# KiCad board hh2024.kicad_pcb
title: HackerHotel 2024 badge; date: 2023-12-17; rev: 1.4; company: Nicolai Electronics & tilde.industries; note: License: CERN Open Hardware Licence Version 2 - Permissive
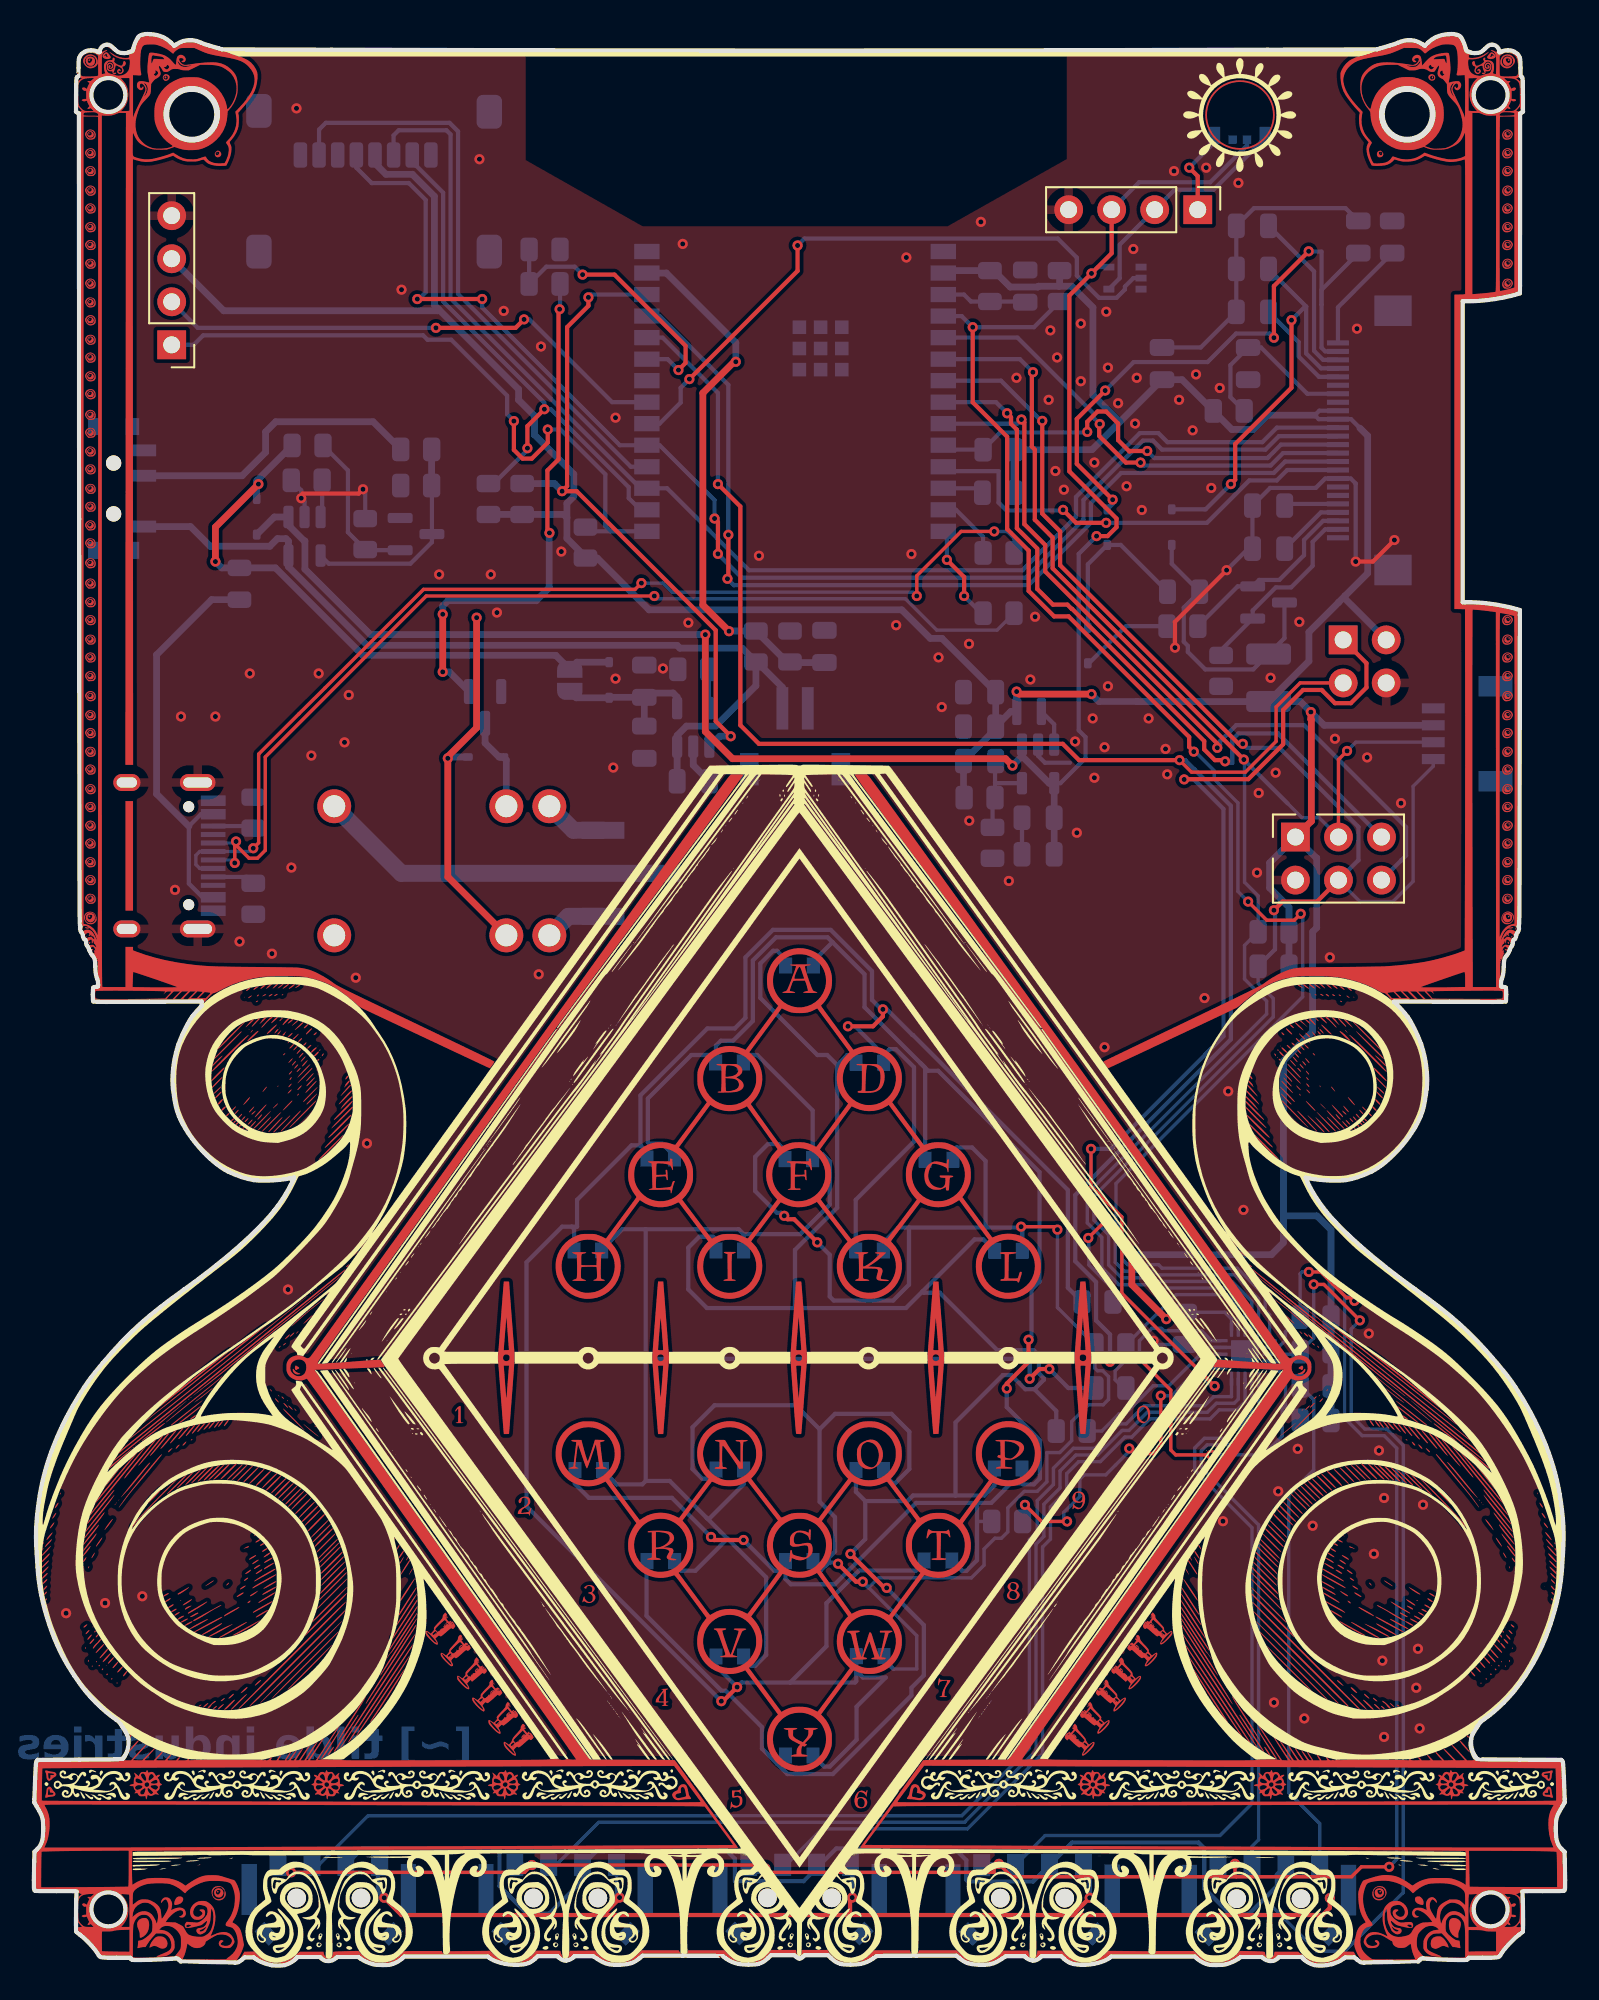
[diagram p0: board, top side]
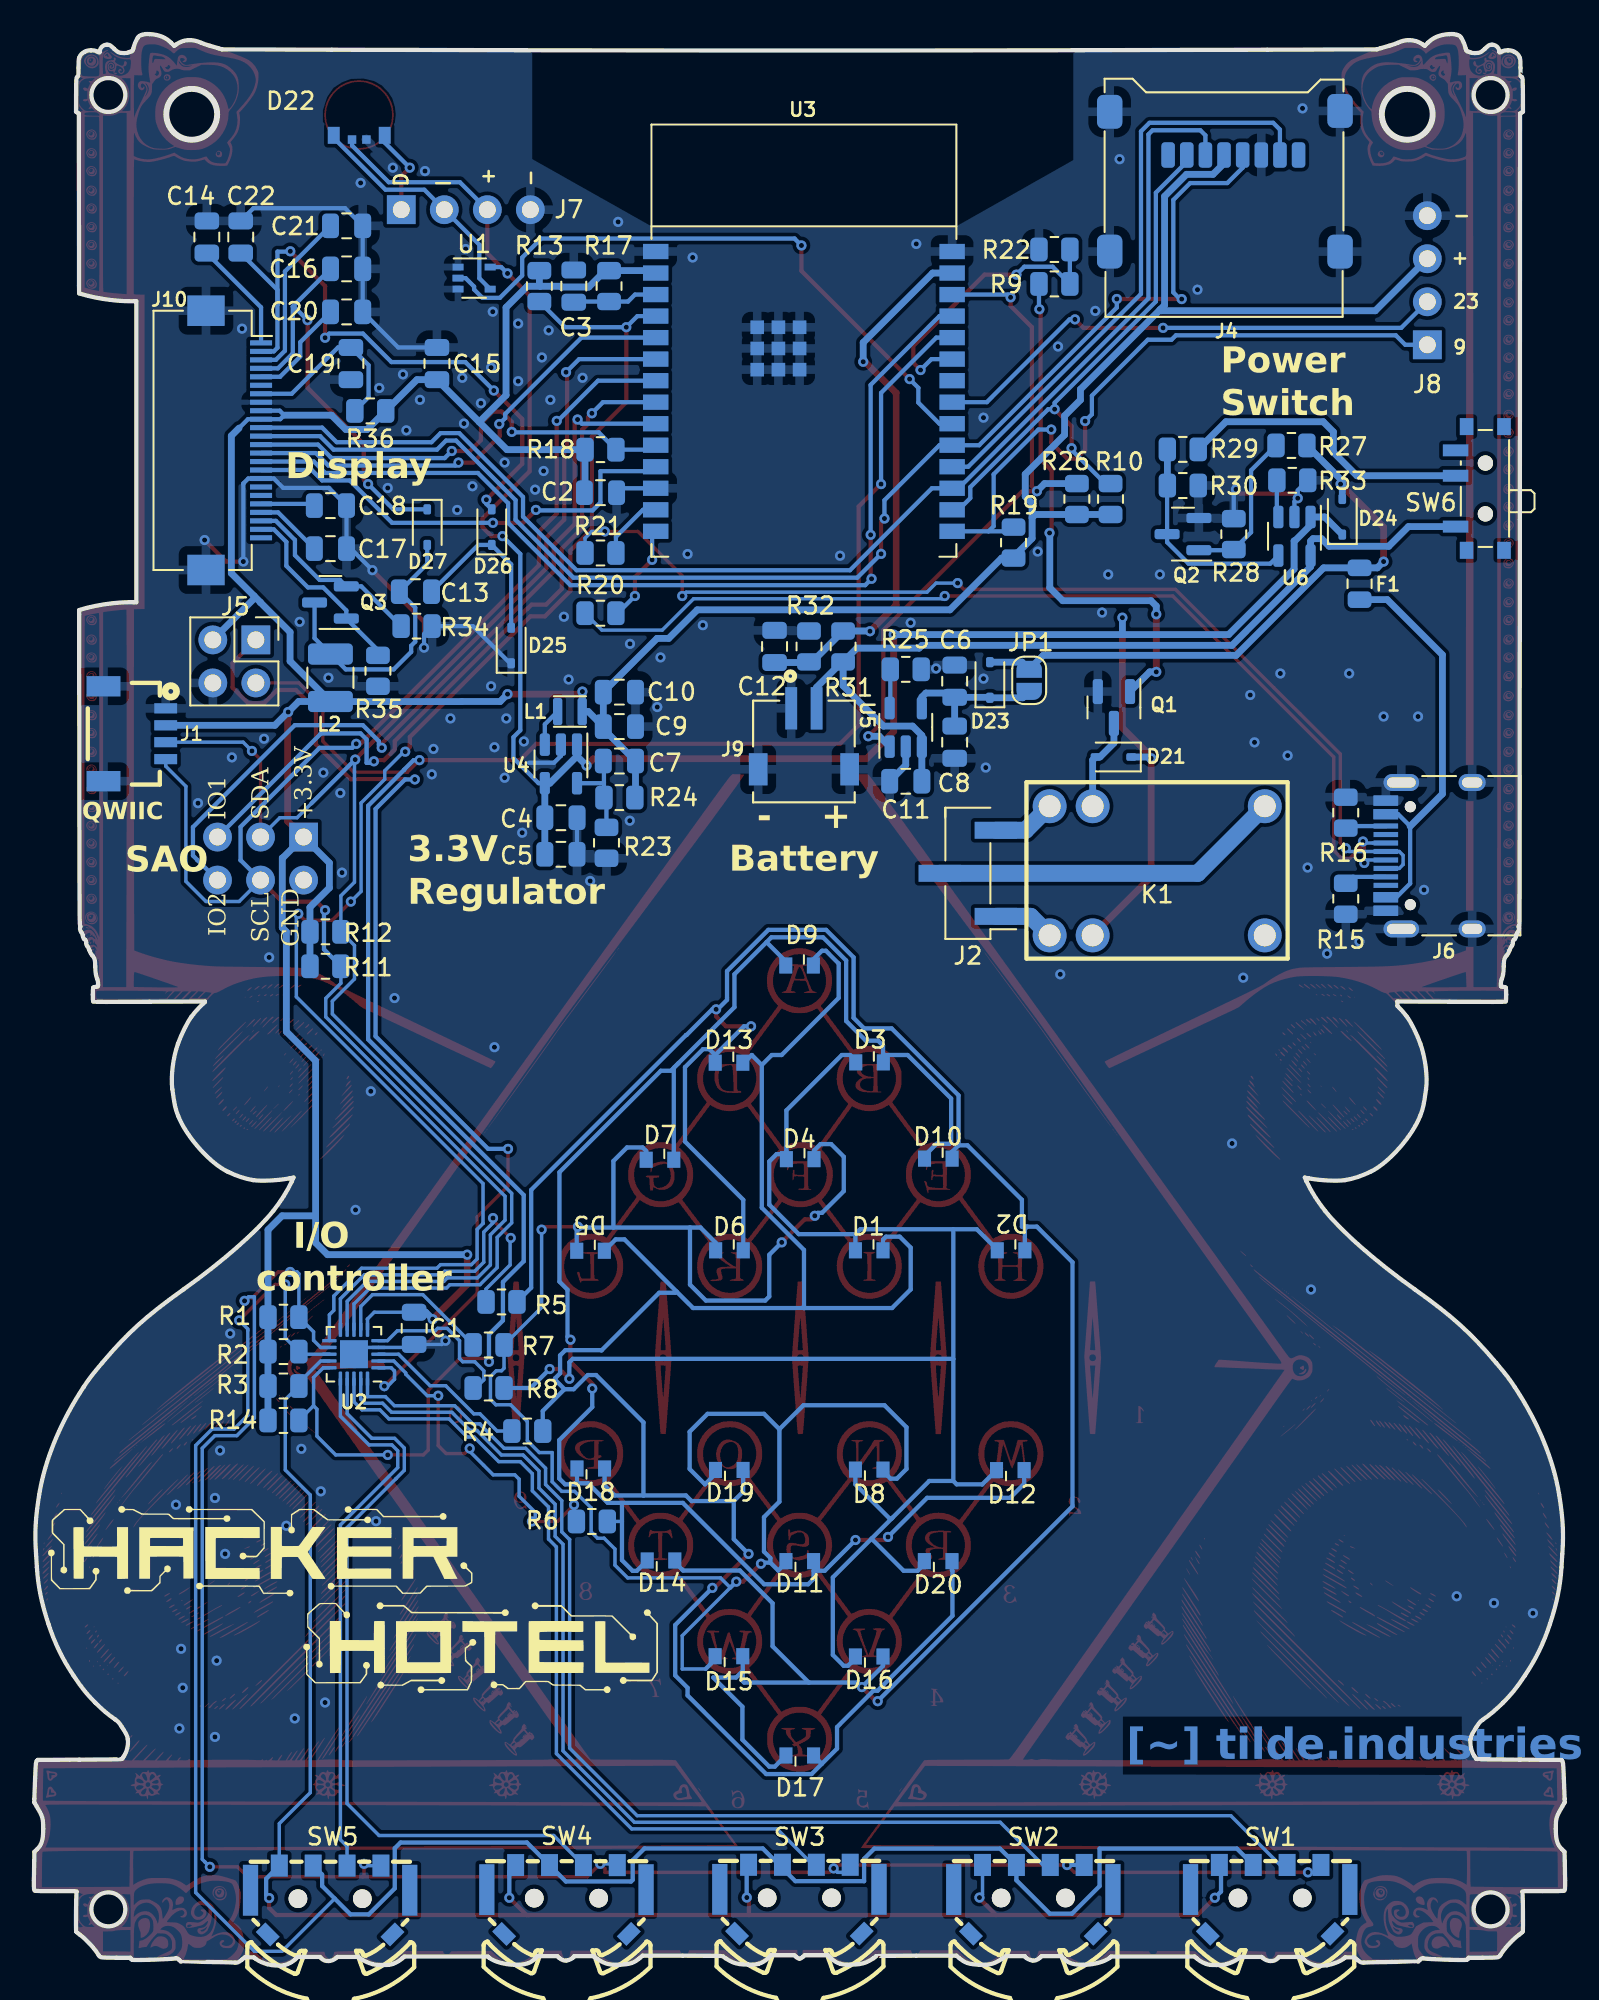
[diagram p1: board, bottom side, seen from below]

Outline 90.39 x 114.02 mm; copper layers: Top, Bottom. Coordinates in mm from the lower left corner of the outline.
Outline path: circle c4.4,110.41 r1 ; circle c4.4,3.35 r1 ; circle c9.32,109.27 r1.5 ; circle c81.07,109.27 r1.5 ; circle c85.99,110.41 r1 ; circle c85.99,3.35 r1 ; 0.02,6.18 0.04,6.75 0.19,6.89 ; 0.03,9.87 0.02,9.66 0.16,9.43 ; 0.18,12.11 0.23,12.17 2.68,12.18 ; 2.49,110.42 2.49,109.43 2.57,109.37 2.66,109.31 2.67,85.38 ; 5.26,12.24 5.35,12.38 ; 4.87,0.49 5.7,0.49 5.72,0.43 ; 8.09,113.51 8.28,113.32 8.41,113.4 ; 6.83,56.9 9.9,56.92 9.9,56.67 ; 10.9,113.17 11.11,113.1 17.57,113.08 ; 12.3,0.39 12.45,0.52 12.98,0.52 13.09,0.43 ; 15.43,0.4 15.58,0.54 16.89,0.54 16.97,0.46 ; 17.83,0.47 17.91,0.54 19.15,0.54 19.28,0.44 ; 21.76,0.46 21.87,0.56 26.8,0.56 26.87,0.5 ; 29.58,0.43 29.75,0.59 30.9,0.59 30.99,0.5 ; 31.85,0.52 31.91,0.59 33.01,0.59 33.26,0.42 ; 35.76,0.47 35.93,0.61 38.3,0.61 ; 43.34,0.47 43.51,0.64 44.89,0.64 45,0.54 ; 45.39,0.54 45.49,0.64 46.88,0.64 47.05,0.47 ; 52.08,0.61 54.46,0.61 54.63,0.47 ; 57.13,0.42 57.38,0.59 58.48,0.59 58.54,0.52 ; 59.4,0.5 59.49,0.59 60.64,0.59 60.8,0.43 ; 63.52,0.5 63.59,0.56 68.52,0.56 68.64,0.46 ; 71.11,0.44 71.24,0.54 72.47,0.54 72.56,0.47 ; 72.82,113.08 79.28,113.1 79.49,113.17 ; 73.42,0.46 73.5,0.54 74.82,0.54 74.95,0.4 ; 77.3,0.43 77.41,0.52 77.94,0.52 78.09,0.39 ; 80.29,56.89 80.29,56.92 83.57,56.9 ; 81.98,113.4 82.11,113.32 82.3,113.51 ; 84.35,98.25 84.35,80.48 ; 84.48,80.48 84.49,80.48 ; 84.67,0.43 84.69,0.49 85.52,0.49 ; 85.08,12.38 85.17,12.24 ; 87.71,12.18 90.16,12.17 90.22,12.11 ; 87.72,80.02 87.72,79.75 ; 87.72,98.71 87.73,99.16 87.73,109.31 87.82,109.37 87.9,109.43 87.9,110.42 ; 90.2,6.89 90.36,6.75 90.37,6.18 ; 90.36,9.87 90.36,9.66 90.23,9.43
Stack: Top 0.035mm / dielectric 1.51mm FR4 er 4.5 / Bottom 0.035mm

## Placement (name value [footprint] x y rotation side)
Artwork  LOGO  [HH24_Victorian_Exodia]  45.36 56.39 0 top
Badge.team  LOGO  [Badge.team]  15.09 26.69 180 bottom
C1  100n  [C_0805_2012Metric]  67.94 37.63 90 bottom
C2  100n  [C_0805_2012Metric]  56.94 86.94 180 bottom
C3  1u  [C_0805_2012Metric]  58.52 99.14 90 bottom  (not fitted)
C4  100n  [C_0805_2012Metric]  59.28 67.76 180 bottom
C5  22u  [C_0805_2012Metric]  59.28 65.61 180 bottom
C6  10u  [C_0805_2012Metric]  36.03 75.82 270 bottom
C7  22p  [C_0805_2012Metric]  55.83 71.11 0 bottom
C8  100n  [C_0805_2012Metric]  36.03 72.22 90 bottom
C9  22u  [C_0805_2012Metric]  55.83 73.14 180 bottom
C10  22u  [C_0805_2012Metric]  55.83 75.17 180 bottom
C11  10u  [C_0805_2012Metric]  38.92 69.92 0 bottom
C12  100n  [C_0805_2012Metric]  46.67 77.87 90 bottom
C13  1u  [C_0805_2012Metric]  67.87 81.1 0 bottom
C14  1u  [C_0805_2012Metric]  78.18 102.03 90 bottom
C15  4.7u  [C_0805_2012Metric]  66.6 94.56 270 bottom
C16  1u  [C_0805_2012Metric]  71.93 100.15 0 bottom
C17  1u  [C_0805_2012Metric]  72.88 83.64 0 bottom
C18  1u  [C_0805_2012Metric]  72.88 86.18 0 bottom
C19  1u  [C_0805_2012Metric]  71.68 94.56 90 bottom
C20  1u  [C_0805_2012Metric]  71.93 97.61 0 bottom
C21  1u  [C_0805_2012Metric]  71.93 102.69 0 bottom
C22  470n  [C_0805_2012Metric]  80.18 102.03 270 bottom
D1  LED_Small  [XL-1606UOC Side Sticker LED]  41.08 42.71 0 bottom
D2  LED_Small  [XL-1606UOC Side Sticker LED]  32.7 42.71 0 bottom
D3  LED_Small  [XL-1606UOC Side Sticker LED]  41.06 53.8 0 bottom
D4  LED_Small  [XL-1606UOC Side Sticker LED]  45.15 48.09 0 bottom
D5  LED_Small  [XL-1606UOC Side Sticker LED]  57.53 42.69 0 bottom
D6  LED_Small  [XL-1606UOC Side Sticker LED]  49.33 42.71 0 bottom
D7  LED_Small  [XL-1606UOC Side Sticker LED]  53.43 48.06 0 bottom
D8  LED_Small  [XL-1606UOC Side Sticker LED]  41.08 28.82 180 bottom
D9  LED_Small  [XL-1606UOC Side Sticker LED]  45.19 59.52 0 bottom
D10  LED_Small  [XL-1606UOC Side Sticker LED]  37 48.12 0 bottom
D11  LED_Small  [XL-1606UOC Side Sticker LED]  45.18 23.42 180 bottom
D12  LED_Small  [XL-1606UOC Side Sticker LED]  32.75 28.79 180 bottom
D13  LED_Small  [XL-1606UOC Side Sticker LED]  49.35 53.78 0 bottom
D14  LED_Small  [XL-1606UOC Side Sticker LED]  53.37 23.46 180 bottom
D15  LED_Small  [XL-1606UOC Side Sticker LED]  49.36 17.81 180 bottom
D16  LED_Small  [XL-1606UOC Side Sticker LED]  41.08 17.79 180 bottom
D17  LED_Small  [XL-1606UOC Side Sticker LED]  45.18 11.95 180 bottom
D18  LED_Small  [XL-1606UOC Side Sticker LED]  57.51 28.89 180 bottom
D19  LED_Small  [XL-1606UOC Side Sticker LED]  49.34 28.8 180 bottom
D20  LED_Small  [XL-1606UOC Side Sticker LED]  37.01 23.42 180 bottom
D21  NSR0320MW2T1G  [D_SOD-323]  26.66 71.35 0 bottom
D22  SK6805  [SK6805-EC3210R]  71.18 107.78 0 bottom
D23  NSR0320MW2T1G  [D_SOD-323]  33.96 75.89 90 bottom
D24  NSR0320MW2T1G  [D_SOD-323]  13.15 85.52 90 bottom
D25  NSR0320MW2T1G  [D_SOD-323]  62.22 77.93 90 bottom
D26  NSR0320MW2T1G  [D_SOD-323]  63.36 84.91 90 bottom
D27  NSR0320MW2T1G  [D_SOD-323]  67.17 84.91 270 bottom
F1  1A  [Fuse_0805_2012Metric]  12.13 81.57 270 bottom
G***  LOGO  [HH24_Victorian_LED_F.SILKS]  71.17 109.22 0 top
Hackerhotellogo  LOGO  [hackerhotelkicad_mod]  71.55 21.63 180 bottom
J1  QWIIC  [Qwiic 1X04_1MM_RA_GND]  82.61 72.72 270 bottom
J2  RELAY  [PinHeader_1x03_P2.54mm_Vertical_SMD_Pin1Left]  35.26 64.48 0 bottom  (not fitted)
J3  SAO  [SAO Female THT Labels]  77.01 65.35 90 top
J4  Micro_SD_Card  [MicroSD-SOFNG-TF-002-H18]  20.13 106.82 0 bottom
J5  CH32Prog  [PinHeader_2x02_P2.54mm_Vertical]  77.29 78.26 270 bottom  (not fitted)
J6  USB-C  [USB_C_Receptacle_HRO_TYPE-C-31-M-12]  6.54 65.52 90 bottom
J7  LED  [PinHeader_1x04_P2.54mm_Vertical]  68.7 103.64 270 top  (not fitted)
J8  Conn_01x04  [PinHeader_1x04_P2.54mm_Vertical]  8.13 95.67 180 top  (not fitted)
J9  Battery  [JST_S2B-ZR-SM4A-TF(LF)(SN)]  44.93 72.07 180 bottom
J10  E-Paper  [Hirose_FH12-24S-0.5SH_1x24-1MP_P0.50mm_Horizontal]  78.83 90.03 270 bottom
JP1  Bodge in case battery doesn't charge  [SolderJumper-2_P1.3mm_Open_RoundedPad1.0x1.5mm]  31.63 75.87 270 bottom
K1  SANYOU_SRD_Form_C  [HRS1H-S-DC3V]  24.08 64.63 0 bottom
L1  2.2u  [Inductor_MSC20FC]  58.75 74.03 0 bottom
L2  47u  [L_1210_3225Metric]  72.88 76.02 90 bottom
Q1  AP2302B  [SOT-23]  26.63 74.27 270 bottom
Q2  AP2302B  [SOT-23]  22.56 84.5 0 bottom
Q3  AP2302B  [SOT-23]  72.88 80.47 0 bottom
R1  10k  [R_0805_2012Metric]  75.66 38.29 180 bottom
R2  10k  [R_0805_2012Metric]  75.66 36.26 180 bottom
R3  10k  [R_0805_2012Metric]  75.66 34.23 180 bottom
R4  30  [R_0805_2012Metric]  61.26 31.57 180 bottom
R5  30  [R_0805_2012Metric]  62.79 39.19 180 bottom
R6  30  [R_0805_2012Metric]  57.45 26.24 180 bottom
R7  30  [R_0805_2012Metric]  63.55 36.65 180 bottom
R8  30  [R_0805_2012Metric]  63.55 34.11 180 bottom
R9  1k  [R_0805_2012Metric]  30.15 99.26 180 bottom
R10  10k  [R_0805_2012Metric]  26.83 86.57 90 bottom
R11  4.7k  [R_0805_2012Metric]  73.18 59 0 bottom
R12  4.7k  [R_0805_2012Metric]  73.18 61.03 0 bottom
R13  10k  [R_0805_2012Metric]  60.55 99.14 270 bottom
R14  2.2k  [R_0805_2012Metric]  75.66 32.2 180 bottom
R15  5.1k  [R_0805_2012Metric]  12.95 62.98 90 bottom
R16  5.1k  [R_0805_2012Metric]  12.95 68.06 270 bottom
R17  10k  [R_0805_2012Metric]  56.44 99.14 90 bottom
R18  10k  [R_0805_2012Metric]  56.94 89.48 0 bottom
R19  10k  [R_0805_2012Metric]  32.56 84 90 bottom
R20  27  [R_0805_2012Metric]  56.94 79.83 180 bottom
R21  27  [R_0805_2012Metric]  56.94 83.39 180 bottom
R22  10k  [R_0805_2012Metric]  30.15 101.3 180 bottom
R23  10k  [R_0805_2012Metric]  56.59 66.28 270 bottom
R24  45.3k  [R_0805_2012Metric]  55.83 68.95 0 bottom
R25  2k  [R_0805_2012Metric]  38.92 76.52 0 bottom
R26  10k  [R_0805_2012Metric]  28.82 86.57 270 bottom
R27  4.7k  [R_0805_2012Metric]  16.15 89.73 0 bottom
R28  4.7k  [R_0805_2012Metric]  19.56 84.5 270 bottom
R29  1k  [R_0805_2012Metric]  22.57 89.5 180 bottom
R30  100k  [R_0805_2012Metric]  22.57 87.37 0 bottom
R31  100k  [R_0805_2012Metric]  42.62 77.87 270 bottom
R32  100k  [R_0805_2012Metric]  44.63 77.87 270 bottom
R33  4.7k  [R_0805_2012Metric]  16.1 87.68 0 bottom
R34  2.2  [R_0805_2012Metric]  67.8 79.07 0 bottom
R35  100k  [R_0805_2012Metric]  70.08 76.43 90 bottom
R36  0  [R_0805_2012Metric]  70.53 91.77 0 bottom  (not fitted)
SW1  Multi-Directional-Switches  [TM-2023]  17.4 4.05 0 bottom
SW2  Multi-Directional-Switches  [TM-2023]  31.38 4.05 0 bottom
SW3  Multi-Directional-Switches  [TM-2023]  45.19 4.06 0 bottom
SW4  Multi-Directional-Switches  [TM-2023]  58.94 4.04 0 bottom
SW5  Multi-Directional-Switches  [TM-2023]  72.89 4.01 0 bottom
SW6  SW_SPDT  [SW_SPDT_PCM12]  5.04 87.19 90 bottom
U1  74LVC1G125  [SOT-353_SC-70-5]  64.4 99.61 180 bottom
U2  CH32V003F4U6  [QFN-20-1EP_3x3mm_P0.4mm_EP1.65x1.65mm]  71.5 36.11 0 bottom
U3  -  [ESP32-C6-WROOM-1]  44.93 92.92 180 bottom
U4  SY8079AAC  [SOT-23-5]  59.28 70.94 270 bottom
U5  XT4054K421MR-G  [SOT-23-5]  38.92 73.1 90 bottom
U6  SY6280AAC  [SOT-23-5]  15.98 84.37 270 bottom

## Library data of the parts
C1 C2 C4 C8 C12 = -: Datasheet: https://datasheet.lcsc.com/lcsc/1912300933_TORCH-C0805B104K500NT_C476766.pdf; LCSC: C476766; Link: https://www.lcsc.com/product-detail/Multilayer-Ceramic-Capacitors-MLCC-SMD-SMT_TORCH-C0805B104K500NT_C476766.html; ki_fp_filters: C_*
C3 C13 C14 C16-C21 = -: Datasheet: https://datasheet.lcsc.com/lcsc/2304140030_CCTC-TCC0805X7R105M500FT_C376929.pdf; LCSC: C376929; Link: https://www.lcsc.com/product-detail/Multilayer-Ceramic-Capacitors-MLCC-SMD-SMT_CCTC-TCC0805X7R105M500FT_C376929.html; ki_fp_filters: C_*
C5 C9 C10 = -: Datasheet: https://datasheet.lcsc.com/lcsc/2006102223_Samsung-Electro-Mechanics-CL21A226MAYNNNE_C602037.pdf; LCSC: C602037; Link: https://www.lcsc.com/product-detail/Multilayer-Ceramic-Capacitors-MLCC-SMD-SMT_Samsung-Electro-Mechanics-CL21A226MAYNNNE_C602037.html; ki_fp_filters: C_*
C6 C11 = -: Datasheet: https://datasheet.lcsc.com/lcsc/2210121101_Samwha-Capacitor-CS2012X7R106M100NRE_C5189822.pdf; LCSC: C5189822; Link: https://www.lcsc.com/product-detail/Multilayer-Ceramic-Capacitors-MLCC-SMD-SMT_Samwha-Capacitor-CS2012X7R106M100NRE_C5189822.html; ki_fp_filters: C_*
C7 = -: Datasheet: https://datasheet.lcsc.com/lcsc/2208181800_FOJAN-FCC0805N220J500BT_C5137614.pdf; LCSC: C5137614; Link: https://www.lcsc.com/product-detail/Multilayer-Ceramic-Capacitors-MLCC-SMD-SMT_FOJAN-FCC0805N220J500BT_C5137614.html; ki_fp_filters: C_*
C15 = -: Datasheet: https://datasheet.lcsc.com/lcsc/2111172030_Samwha-Capacitor-CS2012X5R475K250NRE_C2918489.pdf; LCSC: C2918489; Link: https://www.lcsc.com/product-detail/Multilayer-Ceramic-Capacitors-MLCC-SMD-SMT_Samwha-Capacitor-CS2012X5R475K250NRE_C2918489.html; ki_fp_filters: C_*
C22 = -: Datasheet: https://datasheet.lcsc.com/lcsc/2108150230_FH--Guangdong-Fenghua-Advanced-Tech-0805B474K250NT_C2859120.pdf; LCSC: C2859120; Link: https://www.lcsc.com/product-detail/Multilayer-Ceramic-Capacitors-MLCC-SMD-SMT_FH-Guangdong-Fenghua-Advanced-Tech-0805B474K250NT_C2859120.html; ki_fp_filters: C_*
D1-D20 = -: Datasheet: https://datasheet.lcsc.com/lcsc/2211030000_XINGLIGHT-XL-1606UOC_C965861.pdf; Link: https://www.lcsc.com/product-detail/Light-Emitting-Diodes-LED_XINGLIGHT-XL-1606UOC_C965861.html; LCSC: C965861; ki_fp_filters: LED* LED_SMD:* LED_THT:*
D21 D23-D27 = -: Datasheet: https://datasheet.lcsc.com/lcsc/1806150330_onsemi-NSR0320MW2T1G_C48192.pdf; LCSC: C48192; Link: https://www.lcsc.com/product-detail/Schottky-Barrier-Diodes-SBD_onsemi-NSR0320MW2T1G_C48192.html; ki_fp_filters: TO-???* *_Diode_* *SingleDiode* D_*
D22 = -: Datasheet: https://cdn-shop.adafruit.com/product-files/3484/3484_Datasheet.pdf; Description: RGB LED with integrated controller; LCSC: C5378735; Link: https://www.lcsc.com/product-detail/Light-Emitting-Diodes-LED_OPSCO-Optoelectronics-SK6805-EC3210R_C5378735.html#; ki_fp_filters: LED*SK6805*PLCC*2.4x2.7mm*P1.3mm*
F1 = -: Datasheet: https://datasheet.lcsc.com/lcsc/1810161745_Brightking-Elec--TAIWAN-SMD0805B110TF_C269107.pdf; LCSC: C269107; Link: https://www.lcsc.com/product-detail/Resettable-Fuses_Brightking-SMD0805B110TF_C269107.html; ki_fp_filters: *polyfuse* *PTC*
J1 = -: Datasheet: https://datasheet.lcsc.com/lcsc/1811151533_JST-Sales-America-SM04B-SRSS-TB-LF-SN_C160404.pdf; LCSC: C160404; Link: https://www.lcsc.com/product-detail/Wire-To-Board-Wire-To-Wire-Connector_JST-SM04B-SRSS-TB-LF-SN_C160404.html; ki_fp_filters: *1X04_1MM_RA* *1X04_1MM_RA_STRESSRELIEF*
J2 = -: Description: Generic connector, single row, 01x03, script generated (kicad-library-utils/schlib/autogen/connector/); ki_fp_filters: Connector*:*_1x??_*
J3 = -: Datasheet: https://datasheet.lcsc.com/lcsc/2105241721_Liansheng-FH-00517_C2829893.pdf; Link: https://www.lcsc.com/product-detail/Female-Headers_Liansheng-FH-00517_C2829893.html; LCSC: C2829893
J4 = -: Datasheet: http://katalog.we-online.de/em/datasheet/693072010801.pdf; LCSC: C125814; Link: https://www.lcsc.com/product-detail/SD-Card-Connectors_SOFNG-TF-002X-H18_C125814.html; ki_fp_filters: microSD*
J5 J7 J8 = -: Description: Generic connector, single row, 01x04, script generated (kicad-library-utils/schlib/autogen/connector/); ki_fp_filters: Connector*:*_1x??_*
J6 = -: Datasheet: https://datasheet.lcsc.com/lcsc/2108131730_Korean-Hroparts-Elec-TYPE-C-31-M-12_C165948.pdf; LCSC: C165948; Link: https://www.lcsc.com/product-detail/USB-Connectors_Korean-Hroparts-Elec-TYPE-C-31-M-12_C165948.html; ki_fp_filters: USB*C*Receptacle*
J9 = -: Datasheet: https://datasheet.lcsc.com/lcsc/1912111437_JST-Sales-America-S2B-ZR-SM4A-TF-LF-SN_C265329.pdf; LCSC: C265329; Link: https://www.lcsc.com/product-detail/Wire-To-Board-Wire-To-Wire-Connector_JST-Sales-America-S2B-ZR-SM4A-TF-LF-SN_C265329.html; ki_fp_filters: Connector*:*_1x??-1MP*
J10 = -: Datasheet: https://datasheet.lcsc.com/lcsc/2304140030_HRS-Hirose-FH12-24S-0-5SH-55_C202112.pdf; LCSC: C202112; Link: https://www.lcsc.com/product-detail/FFC-FPC-Connectors_HRS-Hirose-FH12-24S-0-5SH-55_C202112.html; ki_fp_filters: Connector*:*_1x??-1MP*
JP1 = -: Description: Solder Jumper, 2-pole, open; ki_fp_filters: SolderJumper*Open*
K1 = -: Datasheet: https://datasheet.lcsc.com/lcsc/1809291620_Zhejiang-HKE-HRS1H-S-DC3V_C136110.pdf; Link: https://www.lcsc.com/product-detail/Signal-Relays_Zhejiang-HKE-HRS1H-S-DC3V_C136110.html; LCSC: C136110; ki_fp_filters: Relay*SPDT*SANYOU*SRD*Series*Form*C*
L1 = -: Datasheet: https://datasheet.lcsc.com/lcsc/1912111437_PSA-Prosperity-Dielectrics-MCS20FC-2R2MHC_C375944.pdf; LCSC: C375944; Link: https://www.lcsc.com/product-detail/Power-Inductors_PSA-Prosperity-Dielectrics-MCS20FC-2R2MHC_C375944.html; ki_fp_filters: Choke_* *Coil* Inductor_* L_*
L2 = -: Datasheet: https://datasheet.lcsc.com/lcsc/2304140030_TDK-NLCV32T-470K-PF_C83083.pdf; LCSC: C83083; Link: https://www.lcsc.com/product-detail/Power-Inductors_TDK-NLCV32T-470K-PF_C83083.html; ki_fp_filters: Choke_* *Coil* Inductor_* L_*
Q1-Q3 = -: Datasheet: https://datasheet.lcsc.com/lcsc/1912111437_ALLPOWER-ShenZhen-Quan-Li-Semiconductor-AP2302B_C406812.pdf; LCSC: C406812; Link: https://www.lcsc.com/product-detail/MOSFETs_ALLPOWER-ShenZhen-Quan-Li-Semiconductor-AP2302B_C406812.html
R1-R3 R10 R13 R17-R19 R22 R23 R26 = -: Datasheet: https://datasheet.lcsc.com/lcsc/2208231730_VO-SCR0805J10K_C5140188.pdf; LCSC: C5140188; Link: https://www.lcsc.com/product-detail/Chip-span-style-background-color-ff0-Resistor-span-Surface-Mount_VO-SCR0805J10K_C5140188.html; ki_fp_filters: R_*
R4-R8 = -: Datasheet: https://datasheet.lcsc.com/lcsc/2205311900_UNI-ROYAL-Uniroyal-Elec-0805W8J0300T5E_C25305.pdf; LCSC: C25305; Link: https://www.lcsc.com/product-detail/Chip-Resistor-Surface-Mount_UNI-ROYAL-Uniroyal-Elec-0805W8J0300T5E_C25305.html; ki_fp_filters: R_*
R9 R29 = -: LCSC: C3017842; Link: https://www.lcsc.com/product-detail/Chip-span-style-background-color-ff0-Resistor-span-Surface-Mount_VO-SCR0805J1K_C3017842.html; ki_fp_filters: R_*
R11 R12 R33 = -: Datasheet: https://datasheet.lcsc.com/lcsc/2308241947_FOJAN-FRC0805J472-TS_C2907326.pdf; LCSC: C2907326; Link: https://www.lcsc.com/product-detail/Chip-span-style-background-color-ff0-Resistor-span-Surface-Mount_FOJAN-FRC0805J472-TS_C2907326.html; ki_fp_filters: R_*
R14 = -: Datasheet: https://datasheet.lcsc.com/lcsc/2304140030_YAGEO-RC0805FR-072K2L_C114561.pdf; LCSC: C114561; Link: https://www.lcsc.com/product-detail/Chip-Resistor-Surface-Mount_YAGEO-RC0805FR-072K2L_C114561.html; ki_fp_filters: R_*
R15 R16 = -: Datasheet: https://datasheet.lcsc.com/lcsc/2308241947_FOJAN-FRC0805J512TS_C2930296.pdf; LCSC: C2930296; Link: https://www.lcsc.com/product-detail/Chip-span-style-background-color-ff0-Resistor-span-Surface-Mount_FOJAN-FRC0805J512TS_C2930296.html; ki_fp_filters: R_*
R20 R21 = -: Datasheet: https://datasheet.lcsc.com/lcsc/2308241947_FOJAN-FRC0805J270-TS_C2907314.pdf; LCSC: C2907314; Link: https://www.lcsc.com/product-detail/Chip-span-style-background-color-ff0-Resistor-span-Surface-Mount_FOJAN-FRC0805J270-TS_C2907314.html; ki_fp_filters: R_*
R24 = -: Datasheet: https://datasheet.lcsc.com/lcsc/2211151030_Viking-Tech-ARG05DTC4532_C5266157.pdf; LCSC: C5266157; Link: https://www.lcsc.com/product-detail/Chip-span-style-background-color-ff0-Resistor-span-Surface-Mount_Viking-Tech-ARG05DTC4532_C5266157.html; ki_fp_filters: R_*
R25 = -: Datasheet: https://datasheet.lcsc.com/lcsc/2205131800_VO-SCR0805J2K_C3017846.pdf; LCSC: C3017846; Link: https://www.lcsc.com/product-detail/Chip-span-style-background-color-ff0-Resistor-span-Surface-Mount_VO-SCR0805J2K_C3017846.html; ki_fp_filters: R_*
R27 R28 = -: LCSC: C2907326; Link: https://www.lcsc.com/product-detail/Chip-span-style-background-color-ff0-Resistor-span-Surface-Mount_FOJAN-FRC0805J472-TS_C2907326.html; ki_fp_filters: R_*
R30-R32 R35 = -: Datasheet: https://datasheet.lcsc.com/lcsc/2308241947_FOJAN-FRC0805J104-TS_C2907293.pdf; LCSC: C2907293; Link: https://www.lcsc.com/product-detail/Chip-span-style-background-color-ff0-Resistor-span-Surface-Mount_FOJAN-FRC0805J104-TS_C2907293.html; ki_fp_filters: R_*
R34 = -: Datasheet: https://datasheet.lcsc.com/lcsc/2308241947_FOJAN-FRC0805J270-TS_C2907314.pdf; LCSC: C2907304; Link: https://www.lcsc.com/product-detail/Chip-Resistor-Surface-Mount_FOJAN-FRC0805J2R2-TS_C2907304.html; ki_fp_filters: R_*
R36 = -: Datasheet: https://datasheet.lcsc.com/lcsc/2308241947_FOJAN-FRC0805P000-TS_C2907288.pdf; LCSC: C2907288; Link: https://www.lcsc.com/product-detail/Chip-span-style-background-color-ff0-Resistor-span-Surface-Mount_FOJAN-FRC0805P000-TS_C2907288.html; ki_fp_filters: R_*
SW1-SW5 = -: Datasheet: https://datasheet.lcsc.com/lcsc/2110151630_XKB-Connectivity-TM-2023_C318951.pdf; Link: https://www.lcsc.com/product-detail/Multi-Directional-Switches_XKB-Connectivity-TM-2023_C318951.html; LCSC: C318951
SW6 = -: Datasheet: https://datasheet.lcsc.com/lcsc/2110151630_XKB-Connectivity-SK-3296S-01-L1_C319020.pdf; Link: https://www.lcsc.com/product-detail/Toggle-Switches_XKB-Connectivity-SK-3296S-01-L1_C319020.html; LCSC: C319020
U1 = -: Datasheet: https://www.ti.com/lit/ds/symlink/sn74lvc1g125.pdf; Description: Single Buffer Gate Tri-State, Low-Voltage CMOS; LCSC: C12519; Link: https://www.lcsc.com/product-detail/Buffer-Driver-Transceiver_Nexperia-74LVC1G125GW-125_C12519.html; ki_fp_filters: SOT?23* Texas?R-PDSO-G5?DCK* Texas?R-PDSO-N5?DRL* Texas?X2SON*0.8x0.8mm*P0.48mm*